# KiCad board transistor_clock.kicad_pcb (continued)
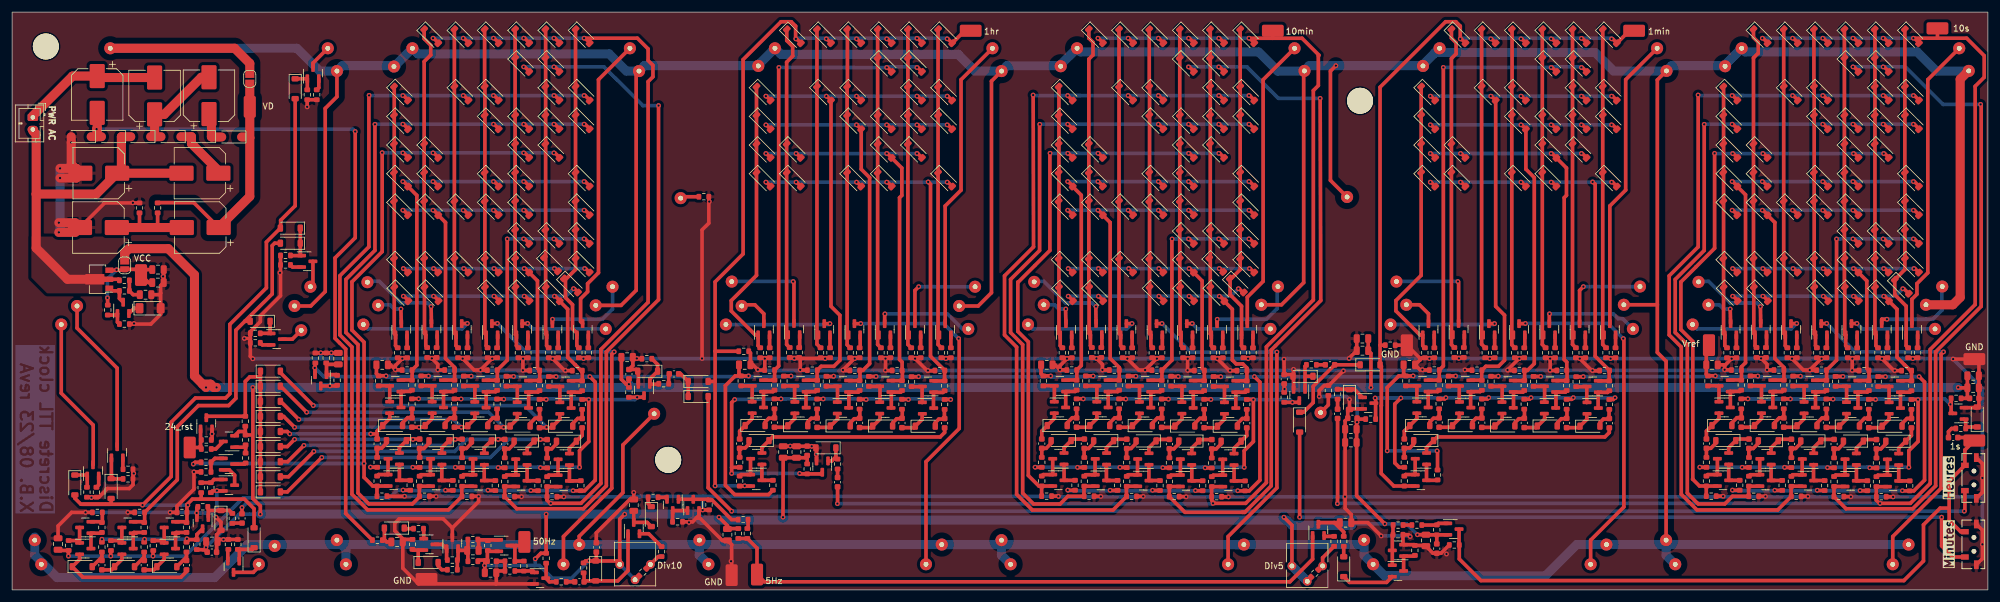
[diagram p0: board, top side]
## Routing (per net, layer and track width the routed paths; a pad name or vN(x,y) marks a point on that pad's centre or on a via; arc(x,y) is an arc through that point) (continued)
  vias: v1(68.91,35.44) v1(71.72,16.52) v1(75.97,35.42) v1(78.75,16.52) v1(83,35.37) v1(85.85,16.47) v1(128.9,35.44) v1(135.96,35.41) v1(142.99,35.36) v1(178.91,35.43) v1(181.72,16.51) v1(185.97,35.41) v1(188.75,16.51) v1(193,35.36) v1(195.85,16.46) v1(238.9,35.44) v1(245.96,35.42) v1(252.99,35.37) v1(288.91,35.44) v1(291.72,16.52) v1(295.97,35.41) v1(298.75,16.52) v1(303,35.36) v1(305.85,16.47)
VD: length 1089.8
  Top w0.6: D138.2 162.09,84.3 162.09,49.25 159.89,47.05 D135.2 ; D251.2 93.86,8.89 101.09,16.12 101.09,24.02 D316.2 ; D260.2 100.79,47.15 103.29,49.65 103.29,85.5 D263.2 ; D284.2 53.76,81.72 51.82,79.79 51.82,49.44 49.43,47.05 D283.2 ; D119.2 272.29,47.25 ; 272.29,47.25 272.29,39.35 273.74,37.9 D5.2 ; 272.29,47.25 272.29,84.5 273.76,85.97 ; D317.2 218.19,67.87 218.19,85.97 v1(219.09,86.87) ; D145.2 210.09,47.25 213.76,50.92 213.76,85.97
  Top w1.5: D282.2 36.84,89.75 39.34,87.25 39.34,85.65 ; 323.76,85.97 322.41,84.63 322.41,48.47 321.19,47.25 D7.2
  Bottom w1.5: 153.86,7.51 163.01,7.51 163.74,8.25 163.74,7.05 ; 176.25,89.75 173.6,87.1 173.6,86.86 164.65,86.86 163.76,85.97 ; 202.45,7.51 203.86,7.51 164.21,7.51 ; 202.45,7.51 202.46,7.53 223.03,7.53 D125.2 223.75,5.75 D126.2 227.15,2.35 253.79,2.35 258.96,7.52 D63.2 273.01,7.52 D5.2 273.74,7.05 ; 202.45,7.51 164.21,7.51 ; D259.2 67.18,88.82 98.82,88.82 101.66,85.97 D263.2 ; D254.2 55.25,6.75 D201.2 ; 3.75,8.76 3.75,5.75 7.45,2.05 33.49,2.05 38.96,7.52 D251.2 113.02,7.52 D120.2 ; D282.2 47.15,89.75 50.93,85.97 D284.2 54.65,86.87 63.6,86.87 ; 123.6,86.87 104.66,86.87 104.65,86.88 103.76,85.98 ; 126.24,89.75 123.59,87.11 123.59,86.87 ; D133.2 127.25,88.75 156.59,88.75 159.36,85.97 D138.2 ; 235.36,88.88 236.24,89.76 ; 235.36,88.88 235.53,89.05 261.99,89.05 265.06,85.97 273.76,85.97 274.65,86.87 283.6,86.87 283.6,87.1 D1.2 286.85,89.15 315.29,89.15 318.46,85.97 323.76,85.97 ; 235.36,88.88 233.59,87.11 233.59,86.88 ; 63.6,86.87 63.6,87.11 66.25,89.75 ; D4.2 273.74,5.76 273.74,7.05 ; 113.73,8.25 113.73,7.05 ; 113.73,7.05 114.2,7.52 153.85,7.52 ; 113.73,7.05 113.73,5.76 115.24,4.25 ; 164.21,7.51 163.74,7.05 ; 233.6,86.87 214.65,86.87 213.76,85.97 209.46,85.97 206.29,89.15 176.85,89.15 D122.2 ; 273.74,7.05 274.21,7.52 D3.2 ; 165.25,4.25 163.74,5.75 163.74,7.05
Net-(C6-Pad2): length 2.4
  Top w0.6: R18.1 321,26.75 320.47,26.23 C6.2
Net-(C21-Pad2): length 1.7
  Top w0.6: C21.2 R52.1
Net-(C30-Pad2): length 1.4
  Top w0.6: R90.1 C30.2
Net-(C38-Pad2): length 1.5
  Top w0.6: R118.1 C38.2
Net-(C41-Pad2): length 1.7
  Top w0.6: 108.76,35.8 108.67,35.71 R168.1
Net-(C56-Pad2): length 1.6
  Top w0.6: R327.1 36.5,11.08 C56.2
Net-(C60-Pad1): length 3.7
  Top w0.6: R252.2 R255.2 20.04,48.93 C60.1
Net-(C68-Pad1): length 1.4
  Top w0.6: R233.2 C68.1
Net-(C82-Pad2): length 15.5
  Top w0.6: R266.1 21.09,60.05 ; 24.09,60.05 24.09,62.43
  Top w1.5: C83.1 C82.2
Net-(D1-K): length 48.9
  Top w0.6: Q2.3 314.42,48.18 315.25,49 315.25,50.75 317.05,52.55 317.05,84.55 D1.1
Net-(D2-K): length 23.4
  Top w0.6: v1(310.29,44.85) 309.45,44.85 309.42,44.82 Q3.3
  Bottom w0.6: 316.85,44.85 v1(310.29,44.85) 309.45,44.85 316.85,44.85 ; 316.85,44.85 317.89,44.85 319.37,46.33 319.37,50.24
Net-(D3-K): length 14.2
  Top w0.6: 304.38,44.13 v1(305.32,44.15)
  Bottom w0.6: v1(305.32,44.15) 306.22,43.25 D3.1
Net-(D4-K): length 60.9
  Top w0.6: v1(319.65,39.45) 319.25,39.05 319.25,16.85 311.25,8.85 D4.1 ; 299.38,44.13 v1(300.32,44.15)
  Bottom w0.6: v1(300.32,44.15) 305.02,39.45 v1(319.65,39.45)
Net-(D5-K): length 18.8
  Top w0.6: Q6.3 v1(295.35,44.15)
  Bottom w0.6: v1(295.35,44.15) 294.45,43.25 278.86,43.25 D5.1
Net-(D6-K): length 14.7
  Top w0.6: Q7.3 v1(289.35,46.95)
  Bottom w0.6: 279.22,51.14 280.76,51.14 284.35,47.55 288.75,47.55 v1(289.35,46.95)
Net-(D7-K): length 6.3
  Top w0.6: Q8.3 v1(284.35,46.55)
  Bottom w0.6: v1(284.35,46.55) 283.22,46.55 282.52,47.25 D7.1
Net-(D57-K): length 3.7
  Top w0.6: D57.1 323.57,27 R18.2 323.33,28.04 Q9.1
Net-(D58-A): length 3.8
  Top w0.6: D58.2 310.1,24.19 309.27,23.37 C8.1 R20.2
Net-(D59-A): length 3.8
  Top w0.6: 301.55,21.89 301.55,23.39 302.27,23.39 303.1,24.22 303.1,24.67
Net-(D60-A): length 3.8
  Top w0.6: 193.1,24.66 193.1,24.21 192.28,23.39 191.55,23.39 191.55,21.89
Net-(D62-A): length 3.8
  Top w0.6: 294.45,21.94 294.45,23.44 295.17,23.44 296,24.27 296,24.72
Net-(D63-K): length 16.5
  Top w0.6: Q20.3 254.41,45.71 v1(254.45,45.75)
  Bottom w0.6: v1(254.45,45.75) 265,45.75 265.8,44.95 266.55,44.95 D63.1
Net-(D64-K): length 57.9
  Top w0.6: 139.41,44.12 140.43,44.12 v1(140.45,44.15) ; 151.25,4.25 151.25,21.25 156.75,26.75 156.75,41.55
  Bottom w0.6: v1(156.65,41.65) 154.15,44.15 v1(140.45,44.15)
Net-(D119-K): length 5.9
  Top w0.6: D119.1 232.92,47.25 234.41,45.76 Q22.3
Net-(D120-K): length 18.3
  Top w0.6: 135.25,44.12 v1(135.35,44.12) 135.25,44.12 ; 135.25,44.12 134.41,44.12
  Bottom w0.6: v1(135.35,44.12) 135.21,43.98 118.14,43.98
Net-(D121-K): length 48.9
  Top w0.6: D121.1 267.05,84.55 267.05,66.25 264.42,63.62 Q24.3
Net-(D122-K): length 48.9
  Top w0.6: 212.25,89.75 207.05,84.55 207.05,51.14 204.42,48.51 204.42,44.12
Net-(D123-K): length 4.7
  Top w0.6: R52.2 222.14,33.26 Q26.1
Net-(D124-K): length 15
  Top w0.6: 199.42,44.12 199.42,44.81 v1(199.45,44.84)
  Bottom w0.6: 199.45,44.85 207.6,44.85 209.37,46.62 209.37,50.24
Net-(D125-K): length 18.3
  Top w0.6: 245.25,44.13 v1(245.35,44.13) 245.25,44.13 ; 245.25,44.13 Q28.3
  Bottom w0.6: v1(245.35,44.13) 245.21,43.98 D125.1
Net-(D126-K): length 57.9
  Top w0.6: 266.75,41.55 266.75,13.75 261.25,8.25 D126.1 ; Q29.3 250.43,44.13 v1(250.45,44.15)
  Bottom w0.6: v1(266.65,41.65) 264.15,44.15 v1(250.45,44.15)
Net-(D127-A): length 3.8
  Top w0.6: 287.42,21.94 287.42,23.44 288.15,23.44 288.97,24.27 288.97,24.72
Net-(D128-K): length 16.9
  Top w0.6: Q32.3 239.4,50.98
  Bottom w0.6: v1(239.28,51.1) 239.24,51.14 229.22,51.14
Net-(D129-K): length 15.7
  Top w0.6: Q33.3 259.42,49.62 v1(260.05,50.25)
  Bottom w0.6: 269.37,50.24 v1(260.05,50.25)
Net-(D130-A): length 3.8
  Top w0.6: 177.43,21.94 177.43,23.44 178.15,23.44 178.97,24.26 178.97,24.71
Net-(D131-K): length 16.5
  Top w0.6: 144.41,44.12 144.41,45.71 v1(144.45,45.75)
  Bottom w0.6: 158.25,43.25 157.29,43.25 154.79,45.75 v1(144.45,45.75)
Net-(D132-A): length 3.8
  Top w0.6: 184.45,21.94 184.45,23.44 185.18,23.44 186,24.26 186,24.71
Net-(D133-K): length 48.9
  Top w0.6: 154.42,44.12 154.42,63.62 157.05,66.25 157.05,84.55 162.25,89.75
Net-(D135-K): length 5.9
  Top w0.6: 120.75,47.25 122.93,47.25 124.41,45.76 124.41,44.12
Net-(D137-K): length 3.1
  Top w0.6: D137.1 136.34,22.05 135.66,21.38 Q45.1
Net-(D138-K): length 15.7
  Top w0.6: 149.42,44.12 149.42,49.61 v1(150.05,50.25)
  Bottom w0.6: 159.37,50.24 v1(150.05,50.25)
Net-(D139-A): length 3.8
  Top w0.6: R94.2 C32.1 281.14,23.47 281.96,24.29 D139.2
Net-(D140-K): length 14.2
  Top w0.6: 194.38,44.12 v1(195.32,44.15)
  Bottom w0.6: 208.25,43.25 196.22,43.25 v1(195.32,44.15)
Net-(D141-A): length 3.8
  Top w0.6: 286.19,30.04 286.19,28.54 285.46,28.54 284.64,27.71 284.64,27.26
Net-(D142-A): length 3.8
  Top w0.6: 174.64,27.26 174.64,27.71 175.46,28.53 176.19,28.53 176.19,30.03
Net-(D143-K): length 17.1
  Top w0.6: v1(129.28,51.1) 129.4,50.97 129.4,44.16
  Bottom w0.6: 119.22,51.13 129.24,51.13 v1(129.28,51.1)
Net-(D144-A): length 3.8
  Top w0.6: 170.41,21.96 170.41,23.46 171.14,23.46 171.96,24.29 171.96,24.74
Net-(D145-K): length 6.3
  Top w0.6: 174.41,44.12 174.35,46.55
  Bottom w0.6: 170.75,47.25 172.52,47.25 173.22,46.55 174.35,46.55
  vias: v1(174.39,46.55)
Net-(D146-K): length 60.4
  Top w0.6: v1(209.32,39.41) 209.32,16.92 201.25,8.84 201.25,4.25 ; 189.38,44.12 v1(190.32,44.15)
  Bottom w0.6: v1(190.32,44.15) 195.05,39.41 v1(209.32,39.41)
Net-(D147-K): length 5.5
  Top w0.6: Q59.1 213.99,35.3 ; 213.99,35.3 214.09,35.41 D147.1 ; 213.99,35.3 213.99,37.08 R118.2
Net-(D148-A): length 3.8
  Top w0.6: 200.1,24.64 200.1,24.19 199.28,23.36 198.55,23.36 198.55,21.86
Net-(D149-K): length 18.8
  Top w0.6: 184.41,44.12 v1(185.35,44.15)
  Bottom w0.6: 168.13,43.98 168.86,43.25 184.45,43.25 v1(185.35,44.15)
Net-(D199-K): length 14.7
  Top w0.6: 179.4,44.16 179.35,46.95
  Bottom w0.6: 169.22,51.13 170.76,51.13 174.35,47.55 178.75,47.55 179.35,46.95
  vias: v1(179.39,46.95)
Net-(D201-K): length 18.8
  Top w0.6: 74.41,44.13 v1(75.35,44.15)
  Bottom w0.6: 58.13,43.99 58.86,43.25 74.45,43.25 v1(75.35,44.15)
Net-(D247-A): length 3.8
  Top w0.6: 90.1,24.65 90.1,24.2 89.28,23.37 88.55,23.37 88.55,21.87
Net-(D248-A): length 3.8
  Top w0.6: 74.45,21.95 74.45,23.45 75.18,23.45 76,24.27 76,24.72
Net-(D249-A): length 3.8
  Top w0.6: 81.55,21.9 81.55,23.4 82.28,23.4 83.1,24.22 83.1,24.67
Net-(D250-A): length 3.8
  Top w0.6: 64.64,27.27 64.64,27.72 65.46,28.54 66.19,28.54 66.19,30.04
Net-(D251-K): length 14.2
  Top w0.6: 84.38,44.13 v1(85.32,44.15)
  Bottom w0.6: 98.25,43.25 86.22,43.25 v1(85.32,44.15)
Net-(D252-A): length 3.8
  Top w0.6: 67.43,21.95 67.43,23.45 68.15,23.45 68.97,24.27 68.97,24.72
Net-(D253-A): length 3.8
  Top w0.6: 60.41,21.97 60.41,23.47 61.14,23.47 61.96,24.3 61.96,24.75
Net-(D254-K): length 60.9
  Top w0.6: 79.38,44.13 v1(80.32,44.15) ; 91.25,4.25 91.25,8.85 99.25,16.85 99.25,39.05 v1(99.65,39.45)
  Bottom w0.6: v1(80.32,44.15) 85.02,39.45 v1(99.65,39.45)
Net-(D255-A): length 3.8
  Top w0.6: 291.66,27.24 291.66,27.69 292.49,28.51 293.21,28.51 293.21,30.01
Net-(D256-A): length 3.8
  Top w0.6: 298.72,27.21 298.72,27.66 299.55,28.49 300.27,28.49 300.27,29.99
Net-(D257-K): length 14.7
  Top w0.6: 69.4,44.17 v1(69.35,46.95)
  Bottom w0.6: v1(69.35,46.95) 68.75,47.55 64.35,47.55 60.76,51.14 59.22,51.14
Net-(D258-A): length 3.8
  Top w0.6: 188.72,27.21 188.72,27.66 189.55,28.48 190.28,28.48 190.28,29.98
Net-(D259-K): length 49.1
  Top w0.6: 102.25,89.75 97.05,84.55 97.05,52.55 95.25,50.75 95.25,49.41 94.09,48.25 94.09,44.47 94.42,44.13
Net-(D260-K): length 6.3
  Top w0.6: 64.41,44.13 v1(64.35,46.55)
  Bottom w0.6: 60.75,47.25 62.52,47.25 63.22,46.55 v1(64.35,46.55)
Net-(D261-A): length 3.8
  Top w0.6: R162.2 C50.1 182.49,28.51 181.66,27.68 D261.2
Net-(D262-K): length 6.7
  Top w0.6: 105.54,34.08 105.54,34.95 106.84,36.25 ; R194.2 106.84,37.35 D262.1 ; R168.2 106.94,34.08 Q84.1
Net-(D263-K): length 15.1
  Top w0.6: 89.42,44.13 89.42,44.82 v1(89.45,44.85)
  Bottom w0.6: v1(89.45,44.85) 89.45,44.85 97.69,44.85 99.37,46.53 99.37,50.25
Net-(D264-A): length 3.8
  Top w0.6: 73.21,30.02 73.21,28.52 72.49,28.52 71.66,27.69 71.66,27.24
Net-(D265-A): length 3.8
  Top w0.6: 305.75,27.16 305.75,27.61 306.57,28.44 307.3,28.44 307.3,29.94
Net-(D266-A): length 3.8
  Top w0.6: 92.79,27.14 92.79,27.59 93.61,28.41 94.34,28.41 94.34,29.91
Net-(D267-A): length 3.8
  Top w0.6: 78.72,27.22 78.72,27.67 79.55,28.49 80.28,28.49 80.28,29.99
Net-(D268-K): length 25.4
  Top w0.6: D268.1 8.14,32.6 13.42,27.31 13.42,20.78 Q93.3
Net-(D269-A): length 3.8
  Top w0.6: 87.3,29.94 87.3,28.44 86.58,28.44 85.75,27.62 85.75,27.17
Net-(D270-A): length 3.1
  Top w0.6: D270.2 14.86,5.45 R224.2
Net-(D271-K): length 35.2
  Top w0.6: 41.1,35.3 39.34,35.3 38.59,34.56 R197.2 32.38,28.78 Q97.3 ; 41.1,35.3 D271.1 ; 41.1,35.3 D287.1 ; 41.07,28.78 D276.1
Net-(D279-K): length 3.7
  Top w0.6: Q100.3 46.38,41.55 D279.1
Net-(D280-K): length 5.2
  Top w0.6: Q101.3 39.91,2.91 41.25,4.25
Net-(D281-A): length 3.8
  Top w0.6: D281.2 312.79,27.58 313.61,28.41 C62.1 R204.2
Net-(D282-K): length 4.2
  Top w0.6: D282.1 49.81,87.31 Q104.3
Net-(D283-K): length 26.1
  Top w0.6: Q105.3 17.39,36.75 10.75,43.39 D283.1
Net-(D284-K): length 4.4
  Top w0.6: D284.1 49.79,50.66 Q106.3
Net-(D285-A): length 3.8
  Top w0.6: 204.34,29.9 204.34,28.4 203.61,28.4 202.79,27.58 202.79,27.13
Net-(D286-A): length 3.8
  Top w0.6: 197.3,29.93 197.3,28.43 196.58,28.43 195.75,27.61 195.75,27.16
Net-(D288-A): length 3.1
  Top w0.6: D288.2 28.86,5.45 R228.2
Net-(D289-A): length 15.7
  Top w0.6: R234.1 94.66,2.75 C68.2 94.81,1.5 D289.2 100.24,1.5 101.94,3.2 Q116.1
Net-(D290-A): length 5.1
  Top w0.6: C70.2 Q116.3 105.1,11.19 D290.2
Net-(D290-K): length 1.8
  Top w0.6: D290.1 105.26,14.33 R236.1
Net-(D291-A): length 3.1
  Top w0.6: R323.2 21.86,5.45 D291.2
Net-(D292-K): length 5.5
  Top w0.6: R327.2 35.96,13.17 D292.1 32.58,13.17 32.48,13.27 Q158.1
Net-(D293-A): length 1.7
  Top w0.6: R244.2 D293.2
Net-(D293-K): length 8.8
  Top w0.6: Q120.2 227.47,1.25 221.34,1.25 D293.1
Net-(D297-K): length 2.1
  Top w0.6: D297.1 20.21,46.68 Q124.2
Net-(D299-A): length 3.2
  Top w0.6: C77.2 62.01,7.95 61.61,8.35 D299.2
Net-(D299-K): length 1.6
  Top w0.6: D299.1 65.01,10.15 R258.1
Net-(D300-A): length 2.4
  Top w0.6: R261.1 71.11,3.35 70.51,3.95 70.51,4.55
Net-(D300-K): length 4
  Top w0.6: 67.21,6.6 66.39,6.6 R262.2 ; 67.21,6.6 Q127.2 ; 67.21,6.6 D300.1
Net-(D301-A): length 129.7
  Top w0.6: v1(319.34,12.05) 319.34,7.3 321.18,5.45 SW2.1 ; D301.2 v1(213.09,12.05)
  Bottom w0.6: v1(213.09,12.05) v1(319.34,12.05)
Net-(D304-A): length 3.9
  Top w0.6: 231.95,24.75 231.95,24.16 231.33,23.53 230.46,23.53 230.4,23.48 230.4,21.98
Net-(D305-A): length 3.9
  Top w0.6: D305.2 234.63,27.83 235.25,28.45 236.12,28.45 C86.1 R276.2
Net-(D306-A): length 3.9
  Top w0.6: 241.65,27.23 241.65,27.83 242.28,28.45 243.14,28.45 243.2,28.51 243.2,30.01
Net-(D307-A): length 3.9
  Top w0.6: 248.75,27.15 248.75,27.74 249.38,28.37 250.24,28.37 250.3,28.43 250.3,29.93
Net-(D308-A): length 3.9
  Top w0.6: 255.78,27.15 255.78,27.74 256.4,28.37 257.27,28.37 257.32,28.43 257.32,29.93
Net-(D309-A): length 3.9
  Top w0.6: 262.75,27.1 262.75,27.69 263.38,28.32 264.24,28.32 264.3,28.38 264.3,29.88
Net-(D310-A): length 3.9
  Top w0.6: 120.4,21.97 120.4,23.47 120.46,23.53 121.33,23.53 121.95,24.15 121.95,24.75
Net-(D311-A): length 3.9
  Top w0.6: 126.18,30 126.18,28.5 126.12,28.45 125.25,28.45 124.62,27.82 124.62,27.23
Net-(D312-A): length 3.9
  Top w0.6: 131.65,27.23 131.65,27.82 132.28,28.45 133.14,28.45 133.2,28.5 133.2,30
Net-(D313-A): length 3.9
  Top w0.6: 140.3,29.92 140.3,28.42 140.24,28.36 139.38,28.36 138.75,27.74 138.75,27.15
Net-(D314-A): length 3.9
  Top w0.6: 145.78,27.15 145.78,27.74 146.4,28.36 147.27,28.36 147.33,28.42 147.33,29.92
Net-(D315-A): length 3.9
  Top w0.6: 154.3,29.87 154.3,28.37 154.24,28.31 153.38,28.31 152.75,27.69 152.75,27.09
Net-(D323-A): length 228.1
  Top w0.6: D323.2 115.2,16.94 v1(119.09,13.05) ; SW1.1 323.19,13.15 v1(323.09,13.05)
  Bottom w0.6: v1(119.09,13.05) v1(323.09,13.05)
Net-(D324-K): length 17
  Top w1.5: 23.74,75.1 D324.1 ; 23.74,75.1 D325.2 ; 23.74,75.1 23.59,75.25 C81.1 25.19,78.8 31.34,84.95 C75.2
Net-(D325-K): length 9.6
  Top w1.5: D325.1 D326.2 29.69,73.95 34.14,69.5 C66.1
Net-(D326-K): length 5.6
  Top w1.5: C75.1 32.99,78.45 D326.1 33.04,75.05 D327.2
Net-(Q1-B): length 5.9
  Top w0.6: C1.2 52.23,37.37 R2.1 52.04,37.56 52.04,35.68 53.67,35.68 R1.2
Net-(Q2-E): length 2.1
  Top w0.6: 315.37,40.13 315.36,40.14 315.36,42.25
Net-(Q3-E): length 2.1
  Top w0.6: 310.36,42.25 310.36,40.14 R7.1
Net-(Q4-E): length 2.1
  Top w0.6: Q4.2 305.36,40.14 305.37,40.13
Net-(Q5-E): length 2.1
  Top w0.6: 300.36,42.25 300.36,40.14
Net-(Q6-E): length 2.1
  Top w0.6: R13.1 295.36,40.14 Q6.2
Net-(Q7-E): length 2.1
  Top w0.6: 290.36,42.25 290.36,40.15
Net-(Q8-E): length 2.1
  Top w0.6: Q8.2 285.36,40.15 R17.1
Net-(Q10-B): length 4.4
  Top w0.6: R23.1 314.04,18.06 Q11.3 Q10.1
Net-(Q10-C): length 4.5
  Top w0.6: R21.1 308.79,19.01 Q11.1 Q10.3
Net-(Q12-B): length 4.4
  Top w0.6: 305.24,20.72 305.24,18.09 307.04,18.09
Net-(Q12-C): length 4.5
  Top w0.6: 301.55,18.79 301.79,19.04 303.36,19.04 303.36,21.67
Net-(Q14-B): length 4.4
  Top w0.6: 195.24,20.71 195.24,18.08 197.05,18.08
Net-(Q14-C): length 4.5
  Top w0.6: 193.36,21.66 193.36,19.03 191.8,19.03 191.55,18.79
Net-(Q16-B): length 4.4
  Top w0.6: 94.05,18.07 94.05,18.07 92.24,18.07 92.24,20.7
Net-(Q16-C): length 4.5
  Top w0.6: 90.36,21.65 90.36,19.02 88.8,19.02 88.55,18.77
Net-(Q18-B): length 4.4
  Top w0.6: 299.95,18.14 299.94,18.14 298.14,18.14 298.14,20.77
Net-(Q18-C): length 4.5
  Top w0.6: 296.26,21.72 296.26,19.09 294.69,19.09 294.45,18.84
Net-(Q20-E): length 2.1
  Top w0.6: Q20.2 R41.1
Net-(Q21-E): length 2.2
  Top w0.6: 140.26,40.12 140.36,40.22 140.36,42.25
Net-(Q22-E): length 2.1
  Top w0.6: R45.1 235.36,40.15 Q22.2
Net-(Q23-E): length 2.1
  Top w0.6: 135.36,42.25 135.36,40.13 135.37,40.12
Net-(Q24-E): length 2.1
  Top w0.6: R49.1 265.37,40.14 Q24.2
Net-(Q25-E): length 2.1
  Top w0.6: 205.36,42.25 205.36,40.13
Net-(Q27-E): length 2.1
  Top w0.6: 200.36,42.25 200.36,40.13 200.37,40.12
Net-(Q28-E): length 2.1
  Top w0.6: Q28.2 245.36,40.14 R57.1
Net-(Q29-E): length 2.2
  Top w0.6: Q29.2 250.36,40.22 R59.1
Net-(Q30-B): length 4.4
  Top w0.6: 291.11,20.77 291.11,18.14 292.92,18.14 292.92,18.14
Net-(Q30-C): length 4.5
  Top w0.6: 287.42,18.84 287.67,19.09 289.24,19.09 289.24,21.72
Net-(Q32-E): length 2.2
  Top w0.6: Q32.2 240.35,40.25 R65.1
Net-(Q33-E): length 2.1
  Top w0.6: R67.1 260.37,40.13 Q33.2
Net-(Q34-B): length 4.4
  Top w0.6: 182.93,18.14 182.92,18.13 181.11,18.13 181.11,20.76
Net-(Q34-C): length 4.5
  Top w0.6: 177.43,18.84 177.67,19.08 179.24,19.08 179.24,21.71
Net-(Q36-E): length 2.1
  Top w0.6: 145.36,42.25 145.36,40.12
Net-(Q37-B): length 4.4
  Top w0.6: 189.95,18.14 189.95,18.13 188.14,18.13 188.14,20.76
Net-(Q37-C): length 4.5
  Top w0.6: 186.26,21.71 186.26,19.08 184.7,19.08 184.45,18.84
Net-(Q39-E): length 2.1
  Top w0.6: 155.37,42.25 155.37,40.13 155.36,40.12
Net-(Q40-B): length 4.4
  Top w0.6: 79.95,18.15 79.94,18.14 78.14,18.14 78.14,20.77
Net-(Q40-C): length 4.5
  Top w0.6: 74.45,18.85 74.69,19.09 76.26,19.09 76.26,21.72
Net-(Q42-E): length 2.1
  Top w0.6: 125.38,40.12 125.36,40.14 125.36,42.25
Net-(Q43-B): length 4.4
  Top w0.6: 87.05,18.09 85.24,18.09 85.24,20.72
Net-(Q43-C): length 4.5
  Top w0.6: 83.36,21.67 83.36,19.04 81.8,19.04 81.55,18.8
Net-(Q46-E): length 2.1
  Top w0.6: 150.37,42.25 150.37,40.13
Net-(Q47-B): length 4.4
  Top w0.6: R97.1 285.91,18.16 Q48.3 Q47.1
Net-(Q47-C): length 4.5
  Top w0.6: R95.1 280.66,19.11 Q48.1 Q47.3
Net-(Q49-E): length 2.1
  Top w0.6: 195.36,42.25 195.36,40.13
Net-(Q50-B): length 4.4
  Top w0.6: 282.5,31.21 282.5,33.84 280.69,33.84 280.69,33.84
Net-(Q50-C): length 4.5
  Top w0.6: 284.38,30.26 284.38,32.89 285.94,32.89 286.19,33.14
Net-(Q52-B): length 4.4
  Top w0.6: 170.69,33.83 170.69,33.84 172.5,33.84 172.5,31.21
Net-(Q52-C): length 4.5
  Top w0.6: 174.38,30.26 174.38,32.89 175.94,32.89 176.19,33.13
Net-(Q54-E): length 2.2
  Top w0.6: 130.35,42.28 130.35,40.24 130.26,40.16
Net-(Q55-B): length 4.4
  Top w0.6: 174.1,20.79 174.1,18.16 175.91,18.16 175.91,18.16
Net-(Q55-C): length 4.5
  Top w0.6: 170.41,18.86 170.66,19.11 172.22,19.11 172.22,21.74
Net-(Q57-E): length 2.1
  Top w0.6: 175.38,40.12 175.36,40.14 175.36,42.25
Net-(Q58-E): length 2.1
  Top w0.6: 190.36,42.25 190.36,40.13
Net-(Q60-B): length 4.4
  Top w0.6: 202.24,20.69 202.24,18.06 204.05,18.06 204.05,18.06
Net-(Q60-C): length 4.5
  Top w0.6: 198.55,18.76 198.8,19.01 200.36,19.01 200.36,21.64
Net-(Q62-E): length 2.1
  Top w0.6: 185.37,40.12 185.36,40.13 185.36,42.25
Net-(Q63-E): length 2.1
  Top w0.6: 180.36,42.25 180.36,40.14
Net-(Q64-B): length 4.4
  Top w0.6: 60.69,33.84 60.69,33.85 62.5,33.85 62.5,31.22
Net-(Q64-C): length 4.5
  Top w0.6: 64.38,30.27 64.38,32.9 65.94,32.9 66.19,33.14
Net-(Q65-E): length 2.1
  Top w0.6: 75.36,42.25 75.36,40.14 75.37,40.13
Net-(Q66-E): length 2.1
  Top w0.6: 85.37,40.13 85.36,40.14 85.36,42.25
Net-(Q68-B): length 4.4
  Top w0.6: 71.11,20.77 71.11,18.14 72.92,18.14 72.93,18.15
Net-(Q68-C): length 4.5
  Top w0.6: 67.43,18.85 67.67,19.09 69.24,19.09 69.24,21.72
Net-(Q70-B): length 4.4
  Top w0.6: 65.91,18.17 64.1,18.17 64.1,20.8
Net-(Q70-C): length 4.5
  Top w0.6: 60.41,18.87 60.66,19.12 62.23,19.12 62.23,21.75
Net-(Q71-E): length 2.1
  Top w0.6: 80.36,42.25 80.36,40.14
Net-(Q72-B): length 4.4
  Top w0.6: 289.52,31.19 289.52,33.82 287.72,33.82 287.71,33.81
Net-(Q72-C): length 4.5
  Top w0.6: 291.4,30.24 291.4,32.87 292.97,32.87 293.21,33.11
Net-(Q74-B): length 4.4
  Top w0.6: 296.59,31.16 296.59,33.79 294.78,33.79 294.77,33.79
Net-(Q74-C): length 4.5
  Top w0.6: 300.27,33.09 300.03,32.84 298.46,32.84 298.46,30.21
Net-(Q76-E): length 2.1
  Top w0.6: 70.36,42.25 70.36,40.15
Net-(Q77-B): length 4.4
  Top w0.6: 186.59,31.16 186.59,33.79 184.78,33.79 184.78,33.78
Net-(Q77-C): length 4.5
  Top w0.6: 188.46,30.21 188.46,32.84 190.03,32.84 190.28,33.08
Net-(Q79-E): length 2.1
  Top w0.6: 95.37,40.13 95.36,40.14 95.36,42.25
Net-(Q80-E): length 2.1
  Top w0.6: 65.36,42.25 65.36,40.15 65.38,40.13
Net-(Q81-B): length 4.4
  Top w0.6: R165.1 177.72,33.81 Q82.3 Q81.1
Net-(Q81-C): length 4.5
  Top w0.6: Q81.3 Q82.1 182.97,32.86 R163.1
Net-(Q85-E): length 2.1
  Top w0.6: 90.36,42.25 90.36,40.14 90.37,40.13
Net-(Q86-B): length 4.4
  Top w0.6: 67.71,33.82 67.72,33.82 69.53,33.82 69.53,31.19
Net-(Q86-C): length 4.5
  Top w0.6: 73.21,33.12 72.97,32.87 71.4,32.87 71.4,30.24
Net-(Q88-B): length 4.4
  Top w0.6: 303.61,31.11 303.61,33.74 301.81,33.74 301.8,33.74
Net-(Q88-C): length 4.5
  Top w0.6: 305.49,30.16 305.49,32.79 307.06,32.79 307.3,33.04
Net-(Q90-B): length 4.4
  Top w0.6: 88.84,33.71 88.84,33.72 90.65,33.72 90.65,31.09
Net-(Q90-C): length 4.5
  Top w0.6: 94.34,33.01 94.09,32.77 92.53,32.77 92.53,30.14
Net-(Q92-B): length 4.4
  Top w0.6: 74.78,33.79 74.78,33.8 76.59,33.8 76.59,31.17
Net-(Q92-C): length 4.5
  Top w0.6: 80.28,33.09 80.03,32.85 78.46,32.85 78.46,30.22
Net-(Q93-E): length 2
  Top w0.6: R187.1 14.34,17.39 Q93.2
Net-(Q95-B): length 4.4
  Top w0.6: 81.81,33.75 83.61,33.75 83.61,31.12
Net-(Q95-C): length 4.5
  Top w0.6: 87.3,33.04 87.06,32.8 85.49,32.8 85.49,30.17
Net-(Q98-B): length 3.2
  Top w0.6: 38.64,23.55 38.54,23.65 Q98.1 ; 38.64,23.55 R198.1 ; 38.64,23.55 R199.2
Net-(Q98-C): length 2.5
  Top w0.6: R195.2 33.71,23.35 Q98.3
Net-(Q99-B): length 3.9
  Top w0.6: Q99.1 33.57,21.8 R222.1 R331.1
Net-(Q99-C): length 1.9
  Top w0.6: R199.1 38.47,20.85 Q99.3
Net-(Q100-E): length 1.9
  Top w0.6: Q100.2 41.42,40.6 R201.1
Net-(Q101-E): length 2
  Top w0.6: Q101.2 35.7,6.62 R203.1
Net-(Q102-B): length 4.4
  Top w0.6: R207.1 308.84,33.71 Q103.3 Q102.1
Net-(Q102-C): length 4.5
  Top w0.6: R205.1 314.09,32.76 Q103.1 Q102.3
Net-(Q104-E): length 2
  Top w0.6: Q104.2 50.76,83.22 R209.1
Net-(Q105-E): length 1.9
  Top w0.6: 18.36,20 18.34,20.03 Q105.2
Net-(Q106-E): length 2
  Top w0.6: R213.1 46.43,53.5 Q106.2
Net-(Q107-B): length 4.4
  Top w0.6: 200.65,31.08 200.65,33.71 198.84,33.71 198.84,33.7
Net-(Q107-C): length 4.5
  Top w0.6: 204.34,33 204.09,32.76 202.53,32.76 202.53,30.13
Net-(Q109-B): length 4.4
  Top w0.6: 191.81,33.74 193.61,33.74 193.61,31.11
Net-(Q109-C): length 4.5
  Top w0.6: 195.49,30.16 195.49,32.79 197.06,32.79 197.3,33.03
Net-(Q111-B): length 3.9
  Top w0.6: R223.1 R330.1 33.42,18.3 Q111.1
Net-(Q111-C): length 3.9
  Top w0.6: Q111.3 36.83,19.01 35.94,19.9 Q99.2
Net-(Q112-B): length 4.5
  Top w0.6: R227.1 10.79,8.19 Q112.1 Q113.3
Net-(Q112-C): length 4.4
  Top w0.6: R225.1 14.74,9.4 Q113.1 Q112.3
Net-(Q114-B): length 4.5
  Top w0.6: R246.1 24.8,8.18 Q114.1 Q155.3
Net-(Q114-C): length 4.4
  Top w0.6: R229.1 27.18,9.53 Q155.1 Q114.3
Net-(Q115-B): length 3.3
  Top w0.6: Q115.1 86.2,3.15 R231.1
Net-(Q115-C): length 4.5
  Top w0.6: R233.1 88.92,1.35 Q115.3 88.39,2.01 R232.2
Net-(Q116-E): length 4.5
  Top w0.6: R235.1 105.35,9.31 Q116.2
Net-(Q117-B): length 11.3
  Top w0.6: R238.2 119.09,11.65 115.82,14.91 R242.1 115.22,15.03 Q118.3 Q117.1
Net-(Q117-C): length 4.3
  Top w0.6: 109.31,11.29 109.31,13.12 Q117.3 Q118.1
Net-(Q117-E): length 1.6
  Top w0.6: Q117.2 108.06,15.35 R236.2
Net-(Q119-C): length 6.6
  Top w0.6: C71.2 218.84,11.15 ; 218.84,11.15 220.39,9.6 R244.1 ; 218.84,11.15 216.45,11.15 Q119.3
Net-(Q119-E): length 1.7
  Top w0.6: Q119.2 217.27,8.88 R243.1
Net-(Q120-B): length 6.7
  Top w0.6: R237.2 228.54,10.73 R250.1 228.42,9.04 Q120.1
Net-(Q120-C): length 4.4
  Top w0.6: R247.1 232.04,5.6 Q121.1 Q120.3
Net-(Q122-B): length 4.4
  Top w0.6: R249.1 235.76,10.75 R248.2 236.04,11.03 Q122.1
